# Altium PCB LM-003.PcbDoc (part 1 of 2) (continued)
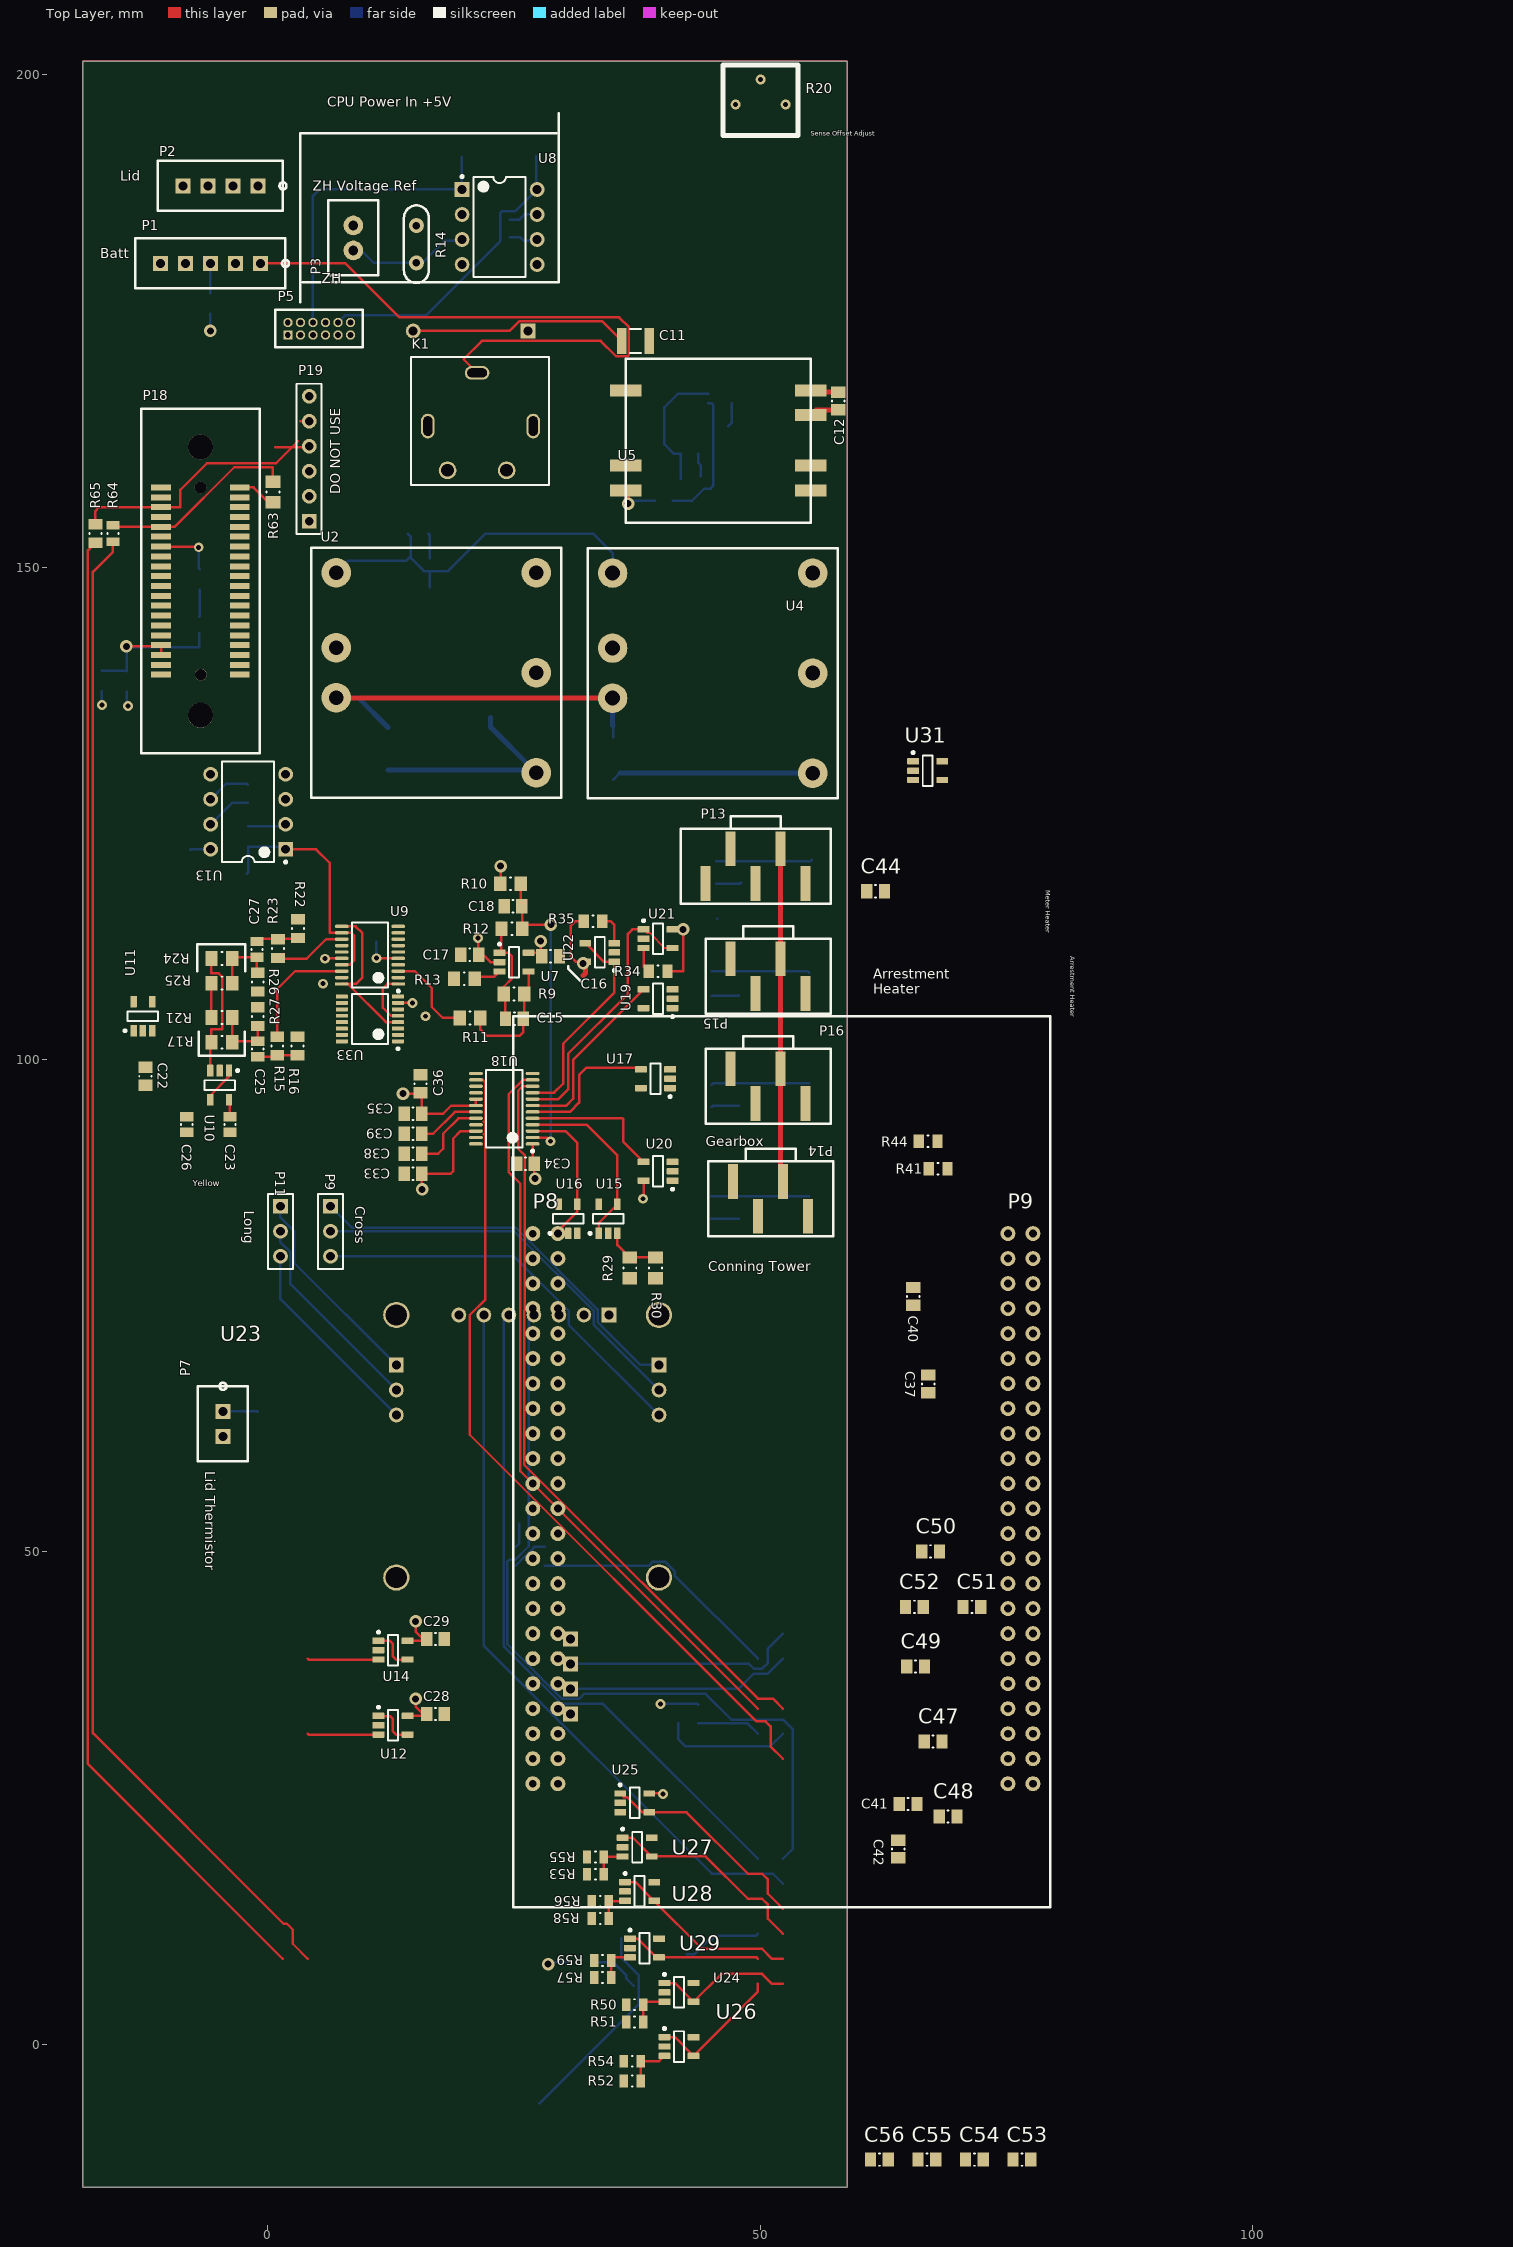
[diagram p0: Top Layer view]
## Components (designator, comment, footprint, x,y, rotation, side; value= is the part's Value field where it differs from the comment) (continued)
R9 "RES SMD 300K OHM 1% 1/8W 0805" RESC0805(2012)_M 24.996,106.639 r0 top
R10 "RES SMD 100K OHM 1% 1/2W 0805" RESC0805(2012)_M 24.638,117.856 r180 top
R11 "RES SMD 18.2K OHM 1% 1/8W 0805" RESC0805(2012)_M 20.523,104.216 r0 top
R12 "RES SMD 511K OHM 1% 1/8W 0805" RESC0805(2012)_M 24.765,113.284 r180 top
R13 "RES SMD 33K OHM 1% 1/2W 0805" RESC0805(2012)_M 19.939,108.204 r0 top
R14 "TBD" VH102K 15.078,180.901 r90 top
R15 "RES SMD 3.9K OHM 5% 1/8W 0805" RESC0805(2012)_N 0.94,101.371 r90 top
R16 "RES SMD 7.5K OHM 1% 1/8W 0805" RESC0805(2012)_N 2.997,101.371 r270 top
R17 "RES SMD 0.0 OHM JUMPER 1/8W 0805" RESC0805(2012)_M -4.685,101.753 r0 top
R20 "TRIMMER 5K OHM 0.25W PC PIN" "TRIMMER 2.54" 47.5,197 r0 top
R21 "RES SMD 0.0 OHM JUMPER 1/8W 0805" RESC0805(2012)_M -4.685,104.253 r0 top
R22 "RES SMD 7.5K OHM 1% 1/8W 0805" RESC0805(2012)_N 3.048,113.284 r90 top
R23 "RES SMD 3.9K OHM 5% 1/8W 0805" RESC0805(2012)_N 1.016,111.252 r90 top
R24 "RES SMD 0.0 OHM JUMPER 1/8W 0805" RESC0805(2012)_M -4.685,110.253 r0 top
R25 "RES SMD 0.0 OHM JUMPER 1/8W 0805" RESC0805(2012)_M -4.685,107.753 r0 top
R26 "RES SMD 1M OHM 1% 1/8W 0805" RESC0805(2012)_N -1.041,107.848 r90 top
R27 "RES SMD 1M OHM 1% 1/8W 0805" RESC0805(2012)_N -1.041,104.343 r270 top
R28 "RES SMD 0.0 OHM JUMPER 1/8W 0805" RESC0805(2012)_M -2.014,122.656 r90 bottom
R29 "RES SMD 10K OHM 1% 1/8W 0805" RESC0805(2012)_M 36.756,78.843 r270 top
R30 "RES SMD 1K OHM 1% 1/8W 0805" RESC0805(2012)_M 39.356,78.843 r90 top
R31 "3K74 0.125W 1% 0805 (2012 Metric)  SMD" RESC0805(2012)_N 43.688,33.528 r90 bottom
R32 "3K74 0.125W 1% 0805 (2012 Metric)  SMD" RESC0805(2012)_N 41.656,33.528 r90 bottom
R33 "6K98 1% 0805(2012)" RESC0805(2012)_N -1.016,63.246 r270 bottom
R34 "6K98 1% 0805(2012)" RESC0805(2012)_N 39.624,108.966 r180 top
R35 "6K98 1% 0805(2012)" RESC0805(2012)_N 33.02,114.046 r180 top
R36 "" RESC0805(2012)_L 44.704,120.142 r0 bottom
R37 "6K98 1% 0805(2012)" RESC0805(2012)_N 61.468,113.792 r180 bottom
R38 "" RESC0805(2012)_L 44.196,86.106 r180 bottom
R39 "" RESC0805(2012)_L 44.704,117.856 r0 bottom
R40 "" RESC0805(2012)_L 44.196,83.82 r0 bottom
R41 "6K98 1% 0805(2012)" RESC0805(2012)_N 68.072,88.9 r0 top
R42 "" RESC0805(2012)_L 44.246,108.976 r0 bottom
R43 "" RESC0805(2012)_L 44.246,106.476 r0 bottom
R44 "6K98 1% 0805(2012)" RESC0805(2012)_N 67.056,91.694 r180 top
R45 "" RESC0805(2012)_L 44.246,97.444 r180 bottom
R46 "" RESC0805(2012)_L 44.246,95.194 r0 bottom
R50 "RES SMD 10K OHM 1% 1/8W 0805" RESC0805(2012)_L 37.25,4 r180 top
R51 "RES SMD 1K OHM 1% 1/8W 0805" RESC0805(2012)_L 37.25,2.25 r0 top
R52 "RES SMD 10K OHM 1% 1/8W 0805" RESC0805(2012)_L 37,-3.75 r180 top
R53 "RES SMD 10K OHM 1% 1/8W 0805" RESC0805(2012)_L 33.25,17.25 r180 top
R54 "RES SMD 1K OHM 1% 1/8W 0805" RESC0805(2012)_L 37,-1.75 r0 top
R55 "RES SMD 1K OHM 1% 1/8W 0805" RESC0805(2012)_L 33.25,19 r0 top
R56 "RES SMD 10K OHM 1% 1/8W 0805" RESC0805(2012)_L 33.75,14.5 r180 top
R57 "RES SMD 10K OHM 1% 1/8W 0805" RESC0805(2012)_L 34,6.75 r180 top
R58 "RES SMD 3K OHM 1% 1/2W 0805" RESC0805(2012)_L 33.75,12.75 r0 top
R59 "RES SMD 4.99K OHM 1% 1/8W 0805" RESC0805(2012)_L 34,8.5 r0 top
R60 "RES SMD 0.0 OHM JUMPER 1/8W 0805" RESC0805(2012)_M -16.866,138.455 r270 bottom
R61 "DNP" RESC0805(2012)_M -14.326,138.405 r270 bottom
R62 "RES SMD 383 OHM 1% 1/8W 0805" RESC0805(2012)_M -6.909,148.742 r270 bottom
R63 "DNP" RESC0805(2012)_M 0.508,157.632 r270 top
R64 "RES SMD 100 OHM 1% 1/8W 0805" RESC0805(2012)_L -15.748,153.416 r90 top
R65 "RES SMD 100 OHM 1% 1/8W 0805" RESC0805(2012)_N -17.526,153.416 r90 top
U1 "LT3461" LT-S6-6-TSOT-23_N 45.896,167.603 r180 bottom
U2 "PXB15-24WD05/N" PXB15-24WD05/N 27.254,139.282 r0 top
U3 "OPA188AIDBVR" DBV0005A_M 15.472,149.446 r90 bottom
U4 "CCG302412S" CCG30 35.004,141.782 r0 top
U5 "CC1R5-0505SR-E" CC1R5-0505SR-E 36.322,157.734 r0 top
U6 "OPA188AIDBVR" DBV0005A_M 26.642,49.546 r180 bottom
U7 "OPA188AIDBVR" DBV0005A_M 24.996,109.889 r0 top
U8 "AD584KNZ" ADI-N-8 23.528,184.551 r0 top
U9 "MAX333CWP+" TSOP65P640X90-20N 10.363,110.593 r180 top
U10 "OPA188AIDBVR" DBV0005A_M -4.907,97.39 r270 top
U11 "OPA188AIDBVR" DBV0005A_M -12.7,104.394 r90 top
U12 "OPA188AIDBVR" DBV0005A_M 12.7,32.385 r0 top
U13 "AD584KNZ" ADI-N-8 -2.014,125.156 r180 top
U14 "OPA188AIDBVR" DBV0005A_M 12.7,40.005 r0 top
U15 "OPA188AIDBVR" DBV0005A_M 34.544,83.82 r90 top
U16 "OPA188AIDBVR" DBV0005A_M 30.48,83.82 r90 top
U17 "OPA188AIDBVR" DBV0005A_M 39.37,98.044 r180 top
U18 "MAX1300AEUG" TSOP65P640X90-24N 24,95 r180 top
U19 "OPA188AIDBVR" DBV0005A_M 39.624,106.172 r180 top
U20 "OPA188AIDBVR" DBV0005A_M 39.624,88.646 r180 top
U21 "OPA188AIDBVR" DBV0005A_M 39.624,112.268 r0 top
U22 "OPA188AIDBVR" DBV0005A_M 33.706,110.871 r180 top
U23 "BBB" "BEAGLEBONE BLACK" 52.3,54.38 r0 top
U24 "OPA188AIDBVR" DBV0005A_M 41.75,5.25 r0 top
U25 "OPA188AIDBVR" DBV0005A_M 37.25,24.5 r0 top
U26 "OPA188AIDBVR" DBV0005A_M 41.75,-0.25 r0 top
U27 "OPA188AIDBVR" DBV0005A_M 37.5,20 r0 top
U28 "OPA188AIDBVR" DBV0005A_M 37.75,15.5 r0 top
U29 "OPA188AIDBVR" DBV0005A_M 38.25,9.75 r0 top
U30 "OPA188AIDBVR" DBV0005A_M 44.013,10.057 r180 bottom
U31 "OPA188AIDBVR" DBV0005A_M 67.005,129.337 r0 top
U32 "DS3231MZ/V+" S8MK+1_N 36.492,8.321 r90 bottom
U33 "CD40109BPW" PW0016A_L 10.363,104.116 r180 top

## Footprints (in the part's own frame and the unit in brackets; to place one, negate y for a bottom-side part, rotate by r counter-clockwise, add the part's x,y. Pads: shape width x height; smd on the part's side, far side on the other; paste and mask are expansions set on the pad)
0402-A [mm] "Chip Inductor, Body 1.0x0.5mm, IPC High Density"
  rect 0.6x0.5 smd: 1(-0.5,0) 2(0.5,0)
  silkscreen extent -1.1,-0.15 -1.1,0.15, body extent -0.55,-0.3 0.55,0.3, height 0.55
0805C_L#1 [mm]
  rect 0.95x1.35 smd: 1(-0.8,0) 2(0.8,0)
  silkscreen extent -0.05,-0.57 0.05,0.58, body extent -1.1,-0.72 1.1,0.72, height 0.75
0805C_L#2 [mm]
  rect 0.95x1.35 smd: 1(-0.8,-0.074) 2(0.8,0)
  silkscreen extent -0.05,-0.58 0.05,0.57, body extent -1.1,-0.72 1.1,0.72, height 0.75
ADI-N-8 [mm] "DIP, 8-Leads, Body 9.59x6.6mm, Pitch 2.54mm"
  rect 1.5x1.5 hole 0.9: 1(-3.81,3.81)
  round 1.5 hole 0.9: 2(-3.81,1.27) 3(-3.81,-1.27) 4(-3.81,-3.81) 5(3.81,-3.81) 6(3.81,-1.27) 7(3.81,1.27) 8(3.81,3.81)
  silkscreen extent -3.93,-5.1 2.65,5.23, body extent -3.95,-5.07 3.95,5.07, height 5.33
"BEAGLEBONE BLACK" [mil]
  round 60 hole 31.5: 8-1(-900,1100) 8-3(-900,1000) 8-4(-1000,1000) 8-5(-900,900) 8-6(-1000,900) 8-7(-900,800) 8-8(-1000,800) 8-9(-900,700) 8-10(-1000,700) 8-11(-900,600) 8-12(-1000,600) 8-13(-900,500) 8-14(-1000,500) 8-15(-900,400) 8-16(-1000,400) 8-17(-900,300) 8-18(-1000,300) 8-19(-900,200) 8-20(-1000,200) 8-21(-900,100) 8-22(-1000,100) 8-23(-900,0) 8-24(-1000,0) 8-25(-900,-100) 8-26(-1000,-100) 8-27(-900,-200) 8-28(-1000,-200) 8-29(-900,-300) 8-30(-1000,-300) 8-31(-900,-400) 8-32(-1000,-400) 8-33(-900,-500) 8-34(-1000,-500) 8-35(-900,-600) 8-36(-1000,-600) 8-37(-900,-700) 8-38(-1000,-700) 8-39(-900,-800) 8-40(-1000,-800) 8-41(-900,-900) 8-42(-1000,-900) 8-43(-900,-1000) 8-44(-1000,-1000) 8-45(-900,-1100) 8-46(-1000,-1100) 9-1(1000,1100) 9-2(900,1100) 9-3(1000,1000) 9-4(900,1000) 9-5(1000,900) 9-6(900,900) 9-7(1000,800) 9-8(900,800) 9-9(1000,700) 9-10(900,700) 9-11(1000,600) 9-12(900,600) 9-13(1000,500) 9-14(900,500) 9-15(1000,400) 9-16(900,400) 9-17(1000,300) 9-18(900,300) 9-19(1000,200) 9-20(900,200) 9-21(1000,100) 9-22(900,100) 9-23(1000,0) 9-24(900,0) 9-25(1000,-100) 9-26(900,-100) 9-27(1000,-200) 9-28(900,-200) 9-29(1000,-300) 9-30(900,-300) 9-31(1000,-400) 9-32(900,-400) 9-33(1000,-500) 9-34(900,-500) 9-35(1000,-600) 9-36(900,-600) 9-37(1000,-700) 9-38(900,-700) 9-39(1000,-800) 9-40(900,-800) 9-41(1000,-900) 9-42(900,-900) 9-43(1000,-1000) 9-44(900,-1000) 9-45(1000,-1100) 9-46(900,-1100)
  round 60 hole 30 paste+0: 8-2(-1000,1100)
  silkscreen extent -1079,-1595 1070,1968, body extent -1078,-1586 1074,1975, height 493
BK-916-TR [mm]
  round 10.2 smd: 1(0,0)
  rect 2.5x5.1 smd: 2(-7.65,0.1) 2(7.65,0)
  silkscreen extent -10.16,-7.62 10.16,7.62, body extent -10.1,-7.65 10.18,7.58, height 4.44
CAPC0603(1608)100_N [mm] "Chip Capacitor, Body 1.6x0.8mm, Height 1.0mm, IPC Medium Density"
  rect 0.9x1 smd: 1(-0.8,0) 2(0.8,0)
  silkscreen extent -0.05,-0.4 0.05,0.4, body extent -0.87,-0.48 0.88,0.47, height 1
CAPC0805(2012)100_M [mm] "Chip Capacitor, Body 2.0x1.2mm, Height 1.0mm, IPC Low Density"
  rect 1.35x1.55 smd: 1(-1,0) 2(1,0)
  silkscreen extent -0.05,-0.67 0.05,0.67, body extent -1.1,-0.72 1.1,0.72, height 1
CAPC0805(2012)100_N [mm] "Chip Capacitor, Body 2.0x1.2mm, Height 1.0mm, IPC Medium Density"
  rect 1.15x1.45 smd: 1(-0.9,0) 2(0.9,0)
  silkscreen extent -0.05,-0.62 0.05,0.63, body extent -1.1,-0.72 1.1,0.73, height 1
CAPC0805(2012)145_N [mm] "Chip Capacitor, Body 2.0x1.2mm, Height 1.45mm, IPC Medium Density"
  rect 1.15x1.45 smd: 1(-0.9,0) 2(0.9,0)
  silkscreen extent -0.05,-0.63 0.05,0.62, body extent -1.1,-0.72 1.1,0.73, height 1.45
CAPC0805(2012)155_L [mm] "Chip Capacitor, Body 2.0x1.2mm, Height 1.55mm, IPC High Density"
  rect 0.95x1.35 smd: 1(-0.8,0) 2(0.8,0)
  silkscreen extent -0.05,-0.58 0.05,0.58, body extent -1.1,-0.72 1.1,0.72, height 1.55
CAPC1206(3216)130_N [mm] "Chip Capacitor, Body 3.2x1.6mm, Height 1.3mm, IPC Medium Density"
  rect 1.15x1.8 smd: 1(-1.5,0) 2(1.5,0)
  silkscreen extent -0.55,-0.8 0.55,0.8, body extent -1.7,-0.9 1.7,0.9, height 1.3
CAPC1206(3216)190_N [mm] "Chip Capacitor, Body 3.2x1.6mm, Height 1.9mm, IPC Medium Density"
  rect 1.15x1.8 smd: 1(-1.5,0) 2(1.5,0)
  silkscreen extent -0.55,-0.8 0.55,0.8, body extent -1.7,-0.9 1.7,0.9, height 1.9
CAPC1210(3225)100_L [mm] "Chip Capacitor, Body 3.2x2.5mm, Height 1mm, IPC High Density"
  rect 0.95x2.6 smd: 1(-1.4,0) 2(1.4,0)
  silkscreen extent -0.55,-1.2 0.55,1.2, body extent -1.7,-1.35 1.7,1.35, height 1
CAPC1210(3225)100_N [mm] "Chip Capacitor, Body 3.2x2.5mm, Height 1mm, IPC Medium Density"
  rect 1.15x2.7 smd: 1(-1.5,0) 2(1.5,0)
  silkscreen extent -0.55,-1.25 0.55,1.25, body extent -1.7,-1.35 1.7,1.35, height 1
CAPC1812(4532)230_M [mm] "Chip Capacitor, Body 4.5x3.2mm, Height 2.3mm, IPC Low Density"
  rect 1.6x3.5 smd: 1(-2.15,0) 2(2.15,0)
  silkscreen extent -0.95,-1.65 0.95,1.65, body extent -2.4,-1.7 2.4,1.7, height 2.3
CC1R5-0505SR-E [mm] "DC-DC Converter"
  rect 3.2x1.2 smd: 1(0,10.211) 2(0,2.591) 3(0,0.051) 4(18.8,0.051) 5(18.8,2.591) 6(18.8,7.711) 7(18.8,10.211)
  silkscreen extent 0,-3.2 18.82,13.43, body extent -1.7,-3.33 20.5,13.56, height 8.8
CCG30 [mm] "DC-DC Converter"
  round 3 hole 1.5: 1(0,7.62) 2(0,0) 3(0,-5.08) 4(20.32,-12.7) 5(20.32,-2.54) 6(20.32,7.62)
  silkscreen extent -2.54,-15.24 22.86,10.16, body extent -2.67,-15.37 22.99,10.29, height 9.9
CES-102-01-L-S [mm]
  round 2 hole 1: 1(0,0) 2(2.54,0)
  silkscreen extent -2.54,-2.54 5.08,2.54, body extent -1.45,-1.5 3.63,1.55, height 5.08
DBV0005A_M [mm] "SOT23, 5-Leads, Body 3.05x1.75mm, Pitch 0.95mm, IPC Low Density"
  rrect15% 1.2x0.65 smd: 1(-1.475,0.95) 2(-1.475,0) 3(-1.475,-0.95) 4(1.475,-0.95) 5(1.475,0.95)
  silkscreen extent -1.6,-1.55 0.5,1.95, body extent -1.42,-1.46 1.42,1.46, height 1.08
FSI-120-03-G-D-E-AB [mil]
  rect 24x78.74 smd: 1(-374.3,157.6) 1(-374.3,157.6) 2(-374.3,-157.6) 3(-334.9,157.6) 4(-334.9,-157.6) 5(-295.5,157.6) 6(-295.5,-157.6) 7(-256.1,157.6) 8(-256.1,-157.6) 9(-216.7,157.6) 10(-216.7,-157.6) 11(-177.3,157.6) 12(-177.3,-157.6) 13(-137.9,157.6) 14(-137.9,-157.6) 15(-98.5,157.6) 16(-98.5,-157.6) 17(-59.1,157.6) 18(-59.1,-157.6) 19(-19.7,157.6) 20(-19.7,-157.6) 21(19.7,157.6) 22(19.7,-157.6) 23(59.1,157.6) 24(59.1,-157.6) 25(98.5,157.6) 26(98.5,-157.6) 27(137.9,157.6) 28(137.9,-157.6) 29(177.3,157.6) 30(177.3,-157.6) 31(216.7,157.6) 32(216.7,-157.6) 33(256.1,157.6) 34(256.1,-157.6) 35(295.5,157.6) 36(295.5,-157.6) 37(334.9,157.6) 38(334.9,-157.6) 39(374.3,157.6) 40(374.3,-157.6)
  round 100 hole 100: hole(-536.2,0) hole(536.2,0)
  round 47 hole 47: hole(-374.3,-1.6) hole(374.3,0)
  silkscreen extent -689,-236 689,236, body extent -672,-179 670,185, height 162
FTSH-106-01 [mil]
  rect 37x37 hole 22.27: 1(0,0)
  round 37 hole 22.27 paste+2: 2(0,50)
  round 37 hole 22.27: 3(50,0) 4(50,50) 5(100,0) 6(100,50) 7(150,0) 8(150,50) 9(200,0) 10(200,50) 11(250,0) 12(250,50)
  silkscreen extent -50,-50 300,100, body extent -29,-76 271,124, height 225
HDR1X3 [mm] "Connector; Header; 3 Position"
  rect 1.5x1.5 hole 0.9: 1(0,0)
  round 1.5 hole 0.9: 2(2.54,0) 3(5.08,0)
  silkscreen extent -1.27,-1.27 6.35,1.27
HDR1X6 [mm] "Connector; Header; 6 Position"
  rect 1.5x1.5 hole 0.9: 1(0,0)
  round 1.5 hole 0.9: 2(2.54,0) 3(5.08,0) 4(7.62,0) 5(10.16,0) 6(12.7,0)
  silkscreen extent -1.27,-1.27 13.97,1.27
HDR1X7 [mm] "Connector; Header; 7 Position"
  rect 1.5x1.5 hole 0.9: 1(0,0)
  round 1.5 hole 0.9: 2(2.54,0) 3(5.08,0) 4(7.62,0) 5(10.16,0) 6(12.7,0) 7(15.24,0)
  silkscreen extent -1.27,-1.27 16.51,1.27
IPL1-102-01 [mil]
  rect 60x60 hole 35.43: 1(-50,0) 2(50,0)
  silkscreen extent -164,-100 150,100, body extent -134,-131 126,129, height 320
IPL1-104-01 [mil]
  rect 60x60 hole 35.43: 1(0,0) 2(100,0) 3(200,0) 4(300,0)
  silkscreen extent -114,-100 400,100, body extent -85,-155 375,105, height 320
IPL1-104-02-F-S [mm]
  rect 1x3.52 smd: 1(0,1.76) 2(2.54,-1.76) 3(5.08,1.76) 4(7.62,-1.76)
  silkscreen extent -2.54,-5.08 10.16,3.81
IPL1-105-1 [mil]
  rect 60x60 hole 35.43: 1(0,0) 2(100,0) 3(200,0) 4(300,0) 5(400,0)
  silkscreen extent -114,-100 500,100, body extent -81,-142 479,118, height 320
IPL1-105-02-F-S-K [mm]
  rect 1x3.52 smd: 1(0,1.76) 2(2.54,-1.76) 3(5.08,1.76) 4(7.62,-1.76) 5(10.16,1.76)
  silkscreen extent -2.54,-5.08 12.7,3.81
KING-LED0603-25-GREEN_V [mm] "LED, SMT, Body 1.6 x 0.8 mm, 0.25mm Thickness"
  rect 1x1 smd paste+0 mask+0: 1(0.85,0) 2(-0.85,0)
  silkscreen extent -1.97,-0.85 1.6,0.85, body extent -0.8,-0.4 0.8,0.4, height 0.25
LT-S6-6-TSOT-23_N [mm] "SOT23, 6-Leads, Body 2.9x1.75mm, Pitch 0.95mm, IPC Medium Density"
  rect 1.3x0.55 smd: 1(-1.2,0.95) 2(-1.2,0) 3(-1.2,-0.95) 4(1.2,-0.95) 5(1.2,0) 6(1.2,0.95)
  silkscreen extent -1.33,-1.45 0.15,1.9, body extent -0.87,-1.45 0.87,1.45, height 1
ONSC-DPAK-3-369AA-01_V [mm] "DPAK, 3-Leads, Body 6.54x6.095mm, Pitch 2.29mm"
  rect 3x1.6 smd: 1(-4.4,2.29) 3(-4.4,-2.29)
  rect 6.2x5.8 smd: 4(2.8,0)
  silkscreen extent -4.52,-3.27 -0.45,3.76, body extent -1.6,-3.27 4.49,3.27, height 2.47
PIN-W2/E2.8 [mm] "Thru-Hole; 2 Leads"
  rect 1.5x1.5 hole 0.9: 1(-5.825,0)
  round 1.5 hole 0.9: 2(5.825,0)
  silkscreen extent -2.65,-1.4 2.65,1.4
PNSC-CP1-12V_V [mm] "THD, 5-Leads, Body 14x13mm, Height 9.5mm"
  oval 1.4x2.5 hole 0.9 slot 2 at 90 deg: 1(-5.35,0) 3(5.35,0)
  round 1.8 hole 1.3: 2(-2.65,4.5) 5(3.35,4.5)
  oval 2.5x1.4 hole 0.9 slot 2 at 0 deg: 4(0.35,-5.4)
  silkscreen extent -6.95,-7 7.05,6, body extent -6.95,-7 7.05,6, height 9.5
PW0016A_L [mm] "SOP, 16-Leads, Body 5.1x4.5mm, Pitch 0.65mm, IPC High Density"
  rrect25% 1.2x0.4 smd: 1(-2.85,2.275) 2(-2.85,1.625) 3(-2.85,0.975) 4(-2.85,0.325) 5(-2.85,-0.325) 6(-2.85,-0.975) 7(-2.85,-1.625) 8(-2.85,-2.275) 9(2.85,-2.275) 10(2.85,-1.625) 11(2.85,-0.975) 12(2.85,-0.325) 13(2.85,0.325) 14(2.85,0.975) 15(2.85,1.625) 16(2.85,2.275)
  silkscreen extent -2.98,-2.55 1.85,3.15, body extent -3.21,-2.5 3.21,2.5, height 1
PXB15-24WD05/N [mm] "DC-DC CONV 15W DUAL 5V"
  round 3 hole 1.5: 1(-20.32,10.16) 2(-20.32,2.54) 3(-20.32,-2.54) 4(0,-10.16) 5(0,0) 6(0,10.16)
  silkscreen extent -22.86,-12.7 2.54,12.7, body extent -22.99,-12.83 2.67,12.83, height 9.9
RESC0805(2012)_L [mm] "Chip Resistor, Body 2.0x1.3mm, IPC High Density"
  rect 0.85x1.3 smd: 1(-0.85,0) 2(0.85,0)
  silkscreen extent -0.05,-0.55 0.05,0.55, body extent -1.1,-0.67 1.1,0.68, height 0.7
RESC0805(2012)_M [mm] "Chip Resistor, Body 2.0x1.3mm, IPC Low Density"
  rect 1.25x1.5 smd: 1(-1.05,0) 2(1.05,0)
  silkscreen extent -0.05,-0.65 0.05,0.65, body extent -1.1,-0.67 1.1,0.67, height 0.7
RESC0805(2012)_N [mm] "Chip Resistor, Body 2.0x1.3mm, IPC Medium Density"
  rect 1.05x1.4 smd: 1(-0.95,0) 2(0.95,0)
  silkscreen extent -0.05,-0.6 0.05,0.6, body extent -1.1,-0.67 1.1,0.68, height 0.7
S8MK+1_N [mm] "SOIC, 8-Leads, Body 4.9x3.9mm, Pitch 1.27mm, IPC Medium Density"
  oval 2.2x0.6 smd: 1(-2.4,1.905) 2(-2.4,0.635) 3(-2.4,-0.635) 4(-2.4,-1.905) 5(2.4,-1.905) 6(2.4,-0.635) 7(2.4,0.635) 8(2.4,1.905)
  silkscreen extent -2.52,-2.5 0.9,2.88, body extent -2,-2.5 2,2.5, height 1.75
"TRIMMER 2.54" [mil]
  round 40 hole 20: 1(0,0) 2(100,100) 3(200,0)
  silkscreen extent -50,-125 250,158, body extent -60,-126 260,200, height 175
TSOP65P640X90-20N [mm] "TSOP, 20-Leads, Body 6.50x4.40mm, Pitch 0.65mm, IPC Medium Density"
  oval 1.4x0.35 smd: 1(-2.875,2.925) 2(-2.875,2.275) 3(-2.875,1.625) 4(-2.875,0.975) 5(-2.875,0.325) 6(-2.875,-0.325) 7(-2.875,-0.975) 8(-2.875,-1.625) 9(-2.875,-2.275) 10(-2.875,-2.925) 11(2.875,-2.925) 12(2.875,-2.275) 13(2.875,-1.625) 14(2.875,-0.975) 15(2.875,-0.325) 16(2.875,0.325) 17(2.875,0.975) 18(2.875,1.625) 19(2.875,2.275) 20(2.875,2.925)
  silkscreen extent -3,-3.3 1.85,3.77, body extent -2.25,-3.3 2.25,3.3, height 0.9
TSOP65P640X90-24N [mm] "TSOP, 24-Leads, Body 7.80x4.40mm, Pitch 0.65mm, IPC Medium Density"
  oval 1.4x0.35 smd mask+0.076: 1(-2.875,3.575) 2(-2.875,2.925) 3(-2.875,2.275) 4(-2.875,1.625) 5(-2.875,0.975) 6(-2.875,0.325) 7(-2.875,-0.325) 8(-2.875,-0.975) 9(-2.875,-1.625) 10(-2.875,-2.275) 11(-2.875,-2.925) 12(-2.875,-3.575) 13(2.875,-3.575) 14(2.875,-2.925) 15(2.875,-2.275) 16(2.875,-1.625) 17(2.875,-0.975) 18(2.875,-0.325) 19(2.875,0.325) 20(2.875,0.975) 22(2.875,2.275) 23(2.875,2.925) 24(2.875,3.575)
  oval 1.4x0.35 smd mask+0.102: 21(2.875,1.625)
  silkscreen extent -3,-3.95 1.85,4.42, body extent -3.2,-3.95 3.2,3.95, height 0.9
VH102K [mil] "Hermetically Sealed High Precision Resistor"
  round 60 hole 30: 1(0,0) 2(149.61,0)
  silkscreen extent -80,-50 230,50

## Part data
BT1: library part Battery, "CR1220, 1225 BATTERY RETAINER W/", Manufacturer 1="MPD (Memory Protection Devices)", Manufacturer Part Number 1=BK-916-TR, Operating Temperature=-, Supplier Part Number 1=BK-916-CT-ND, Battery Cell Size="Coin, 12.0mm", Battery Series="1216, 1220, 1225", Battery Type, Function="Coin Cell, Retainer", Category 1="Battery Products", ComponentLink1Description=http://www.memoryprotectiondevices.com/datasheets/BK-916-datasheet.pdf, ComponentLink1URL=http://www.memoryprotectiondevices.com/datasheets/BK-916-datasheet.pdf, Description 1="CR1220, 1225 BATTERY RETAINER W/", Height Above Board="0.551\" (14.00mm)", Mounting Type="PCB, Surface Mount", Number of Cells=1, Part Status=Active, Pricing 1="1=0.49, 10=0.449, 100=0.408, 500=0.357 (USD)", RoHS 1="RoHS Compliant", Stock 1=7084, Style=Retainer, Supplier 1=Digi-Key, Termination Style="SMD (SMT) Tab"
C1: library part CMP-1035-00578-1, Capacitance=22pF, Manufacturer="AVX Corporation", Manufacturer Part Number=06035C220JAT2A, Operating Temperature="-55°C ~ 125°C", Package / Case="0603 (1608 Metric)", Ratings=-, Supplier Part Number 1=478-6204-6-ND, Temperature Coefficient=X7R, Tolerance=±5%, Voltage - Rated=50V, Applications="General Purpose", Category=Capacitors, ComponentLink1Description=http://datasheets.avx.com/X7RDielectric.pdf, ComponentLink1URL=http://datasheets.avx.com/X7RDielectric.pdf, Features=-, Height - Seated (Max)=-, Lead Spacing=-, Lead Style=-, Mounting Type="Surface Mount, MLCC", Packaging=Digi-Reel®, Part Status=Active, Pricing 1="1=0.2, 10=0.136, 100=0.0688, 1000=0.04166 (USD)", RoHS="RoHS Compliant", Size / Dimension="0.063\" L x 0.032\" W (1.60mm x 0.81mm)", Stock 1=72942, Supplier 1=Digi-Key, Thickness (Max)="0.035\" (0.90mm)"
C2: library part CMP-1038-01123-1, Capacitance=1µF, Manufacturer="Taiyo Yuden", Manufacturer Part Number=UMK325B7105KH-T, Operating Temperature="-55°C ~ 125°C", Package / Case="1210 (3225 Metric)", Ratings=-, Supplier Part Number 1=587-1366-1-ND, Temperature Coefficient=X7R, Tolerance=±10%, Voltage - Rated=50V, Applications="General Purpose", Category=Capacitors, ComponentLink1Description=http://www.yuden.co.jp/productdata/catalog/en/mlcc_all_e.pdf, ComponentLink1URL=http://www.yuden.co.jp/productdata/catalog/en/mlcc_all_e.pdf, Features=-, Height - Seated (Max)=-, Lead Spacing=-, Lead Style=-, Mounting Type="Surface Mount, MLCC", Packaging="Cut Tape (CT)", Part Status=Active, Pricing 1="1=0.36, 10=0.247, 100=0.1398, 500=0.0987, 1000=0.08637 (USD)", RoHS="RoHS Compliant", Size / Dimension="0.126\" L x 0.098\" W (3.20mm x 2.50mm)", Stock 1=23864, Supplier 1=Digi-Key, Thickness (Max)="0.063\" (1.60mm)"
C3: library part CMP-1037-04570-1, Capacitance=0.47µF, Manufacturer="Taiyo Yuden", Manufacturer Part Number=UMK316B7474KL-T, Operating Temperature="-55°C ~ 125°C", Package / Case="1206 (3216 Metric)", Ratings=-, Supplier Part Number 1=587-1325-1-ND, Temperature Coefficient=X7R, Tolerance=±10%, Voltage - Rated=50V, Applications="General Purpose", Category=Capacitors, ComponentLink1Description=http://www.yuden.co.jp/productdata/catalog/en/mlcc_all_e.pdf, ComponentLink1URL=http://www.yuden.co.jp/productdata/catalog/en/mlcc_all_e.pdf, Features=-, Height - Seated (Max)=-, Lead Spacing=-, Lead Style=-, Mounting Type="Surface Mount, MLCC", Packaging="Cut Tape (CT)", Part Status=Active, Pricing 1="1=0.3, 10=0.203, 100=0.115, 500=0.08114, 1000=0.071 (USD)", RoHS="RoHS Compliant", Size / Dimension="0.126\" L x 0.063\" W (3.20mm x 1.60mm)", Stock 1=8658, Supplier 1=Digi-Key, Thickness (Max)="0.071\" (1.80mm)"
C4: library part CMP-1036-04795-1, Capacitance=1µF, Manufacturer="Taiyo Yuden", Manufacturer Part Number=EMK212B7105KG-T, Operating Temperature="-55°C ~ 125°C", Package / Case="0805 (2012 Metric)", Ratings=-, Supplier Part Number 1=587-1283-1-ND, Temperature Coefficient=X7R, Tolerance=±10%, Voltage - Rated=16V, Applications="General Purpose", Category=Capacitors, ComponentLink1Description=http://ds.yuden.co.jp/TYCOMPAS/ut/detail.do?productNo=EMK212B7105KG-T&fileName=EMK212B7105KG-T_SS&mode=specSheetDownload, ComponentLink1URL=http://ds.yuden.co.jp/TYCOMPAS/ut/detail.do?productNo=EMK212B7105KG-T&fileName=EMK212B7105KG-T_SS&mode=specSheetDownload, Features=-, Height - Seated (Max)=-, Lead Spacing=-, Lead Style=-, Mounting Type="Surface Mount, MLCC", Packaging="Cut Tape (CT)", Part Status=Active, Pricing 1="1=0.13, 10=0.089, 100=0.042, 1000=0.02439 (USD)", RoHS="RoHS Compliant", Size / Dimension="0.079\" L x 0.049\" W (2.00mm x 1.25mm)", Stock 1=41495, Supplier 1=Digi-Key, Thickness (Max)="0.053\" (1.35mm)"
C5: library part CMP-1037-04913-1, Capacitance=4.7µF, Manufacturer="Taiyo Yuden", Manufacturer Part Number=EMK316B7475KL-T, Operating Temperature="-55°C ~ 125°C", Package / Case="1206 (3216 Metric)", Ratings=-, Supplier Part Number 1=587-1331-6-ND, Temperature Coefficient=X7R, Tolerance=±10%, Voltage - Rated=16V, Applications="General Purpose", Category=Capacitors, ComponentLink1Description=http://ds.yuden.co.jp/TYCOMPAS/ut/detail.do?productNo=EMK316B7475KL-T&fileName=EMK316B7475KL-T_SS&mode=specSheetDownload, ComponentLink1URL=http://ds.yuden.co.jp/TYCOMPAS/ut/detail.do?productNo=EMK316B7475KL-T&fileName=EMK316B7475KL-T_SS&mode=specSheetDownload, Features=-, Height - Seated (Max)=-, Lead Spacing=-, Lead Style=-, Mounting Type="Surface Mount, MLCC", Packaging=Digi-Reel®, Part Status=Active, Pricing 1="1=0.25, 10=0.17, 100=0.0965, 1000=0.0596 (USD)", RoHS="RoHS Compliant", Size / Dimension="0.126\" L x 0.063\" W (3.20mm x 1.60mm)", Stock 1=59490, Supplier 1=Digi-Key, Thickness (Max)="0.071\" (1.80mm)"
C6: library part CMP-1036-04795-1, Capacitance=0.047µF, Manufacturer="Murata Electronics North America", Manufacturer Part Number=GRM188R71C473KA01D, Operating Temperature="-55°C ~ 125°C", Package / Case="0603 (1608 Metric)", Ratings=-, Supplier Part Number 1=490-1529-6-ND, Temperature Coefficient=X7R, Tolerance=±10%, Voltage - Rated=16V, Applications="General Purpose", Category=Capacitors, ComponentLink1Description=http://www.murata.com/~/media/webrenewal/support/library/catalog/products/capacitor/mlcc/c02e.ashx, ComponentLink1URL=http://www.murata.com/~/media/webrenewal/support/library/catalog/products/capacitor/mlcc/c02e.ashx, Features=-, Height - Seated (Max)=-, Lead Spacing=-, Lead Style=-, Mounting Type="Surface Mount, MLCC", Packaging=Digi-Reel®, Part Status=Active, Pricing 1="1=0.1, 10=0.046, 100=0.0206, 500=0.0147, 1000=0.01155 (USD)", RoHS="RoHS Compliant", Size / Dimension="0.063\" L x 0.031\" W (1.60mm x 0.80mm)", Stock 1=26, Supplier 1=Digi-Key, Thickness (Max)="0.035\" (0.90mm)"
C7 C9 C13: library part CMP-1040-00561-1, Capacitance=470pF, Case/Package=1812, Case Code (Metric)=4532, Manufacturer=Kemet, Manufacturer Part Number=C1812C471KHRACTU, Max Operating Temperature=125°C, Min Operating Temperature=-55°C, Package Quantity=1, Supplier Part Number 1=399-7289-6-ND, Tolerance=10%, Voltage Rating=3kV, Case Code (Imperial)=1812, ComponentLink1Description=http://www.kemet.com/docfinder?Partnumber=C1812C471KHRACTU, ComponentLink1URL=http://www.kemet.com/docfinder?Partnumber=C1812C471KHRACTU, Lead Free="Lead Free", Length=0.177inch, Packaging="Tape and Reel", Pricing 1="1=0.88, 10=0.666, 100=0.4761 (USD)", Stock 1=2705, Supplier 1=Digi-Key, Thickness=0.071inch, Voltage Rating (DC)=3kV, Width=0.126inch
C8: library part CMP-1040-00561-1, "CAP CER 470PF 3KV X7R 1812", Capacitance=470pF, Case/Package=1812, Case Code (Metric)=4532, Manufacturer=Kemet, Manufacturer Part Number=C1812C471KHRACTU, Max Operating Temperature=125°C, Min Operating Temperature=-55°C, Package Quantity=1, Supplier Part Number 1=399-7289-6-ND, Tolerance=10%, Voltage Rating=3kV, Case Code (Imperial)=1812, ComponentLink1Description=http://www.kemet.com/docfinder?Partnumber=C1812C471KHRACTU, ComponentLink1URL=http://www.kemet.com/docfinder?Partnumber=C1812C471KHRACTU, Lead Free="Lead Free", Length=0.177inch, Packaging="Tape and Reel", Pricing 1="1=0.88, 10=0.666, 100=0.4761 (USD)", Stock 1=2705, Supplier 1=Digi-Key, Thickness=0.071inch, Voltage Rating (DC)=3kV, Width=0.126inch
C10: library part CMP-1036-04795-1, Capacitance=10000pF, Manufacturer="Murata Electronics North America", Manufacturer Part Number=GRM216R71E103KA01D, Operating Temperature="-55°C ~ 125°C", Package / Case="0805 (2012 Metric)", Ratings=-, Supplier Part Number 1=490-12748-6-ND, Temperature Coefficient=X7R, Tolerance=±10%, Voltage - Rated=25V, Applications="General Purpose", Category=Capacitors, ComponentLink1Description=http://www.murata.com/~/media/webrenewal/support/library/catalog/products/capacitor/mlcc/c02e.ashx, ComponentLink1URL=http://www.murata.com/~/media/webrenewal/support/library/catalog/products/capacitor/mlcc/c02e.ashx, Features=-, Height - Seated (Max)=-, Lead Spacing=-, Lead Style=-, Mounting Type="Surface Mount, MLCC", Packaging=Digi-Reel®, Part Status=Active, Pricing 1="1=0.11, 10=0.077, 100=0.0343, 500=0.02452, 1000=0.01926 (USD)", RoHS="RoHS Compliant", Size / Dimension="0.079\" L x 0.049\" W (2.00mm x 1.25mm)", Stock 1=13127, Supplier 1=Digi-Key, Thickness (Max)="0.028\" (0.70mm)"
C11: library part CMP-1038-00632-1, Capacitance=1µF, Manufacturer="Murata Electronics North America", Manufacturer Part Number=GRM32RR71H105KA01L, Operating Temperature="-55°C ~ 125°C", Package / Case="1210 (3225 Metric)", Ratings=-, Supplier Part Number 1=490-1863-6-ND, Temperature Coefficient=X7R, Tolerance=±10%, Voltage - Rated=50V, Applications="General Purpose", Category=Capacitors, ComponentLink1Description=http://search.murata.co.jp/Ceramy/image/img/A01X/G101/ENG/GRM32RR71H105KA01-01.pdf, ComponentLink1URL=http://search.murata.co.jp/Ceramy/image/img/A01X/G101/ENG/GRM32RR71H105KA01-01.pdf, Features=-, Height - Seated (Max)=-, Lead Spacing=-, Lead Style=-, Mounting Type="Surface Mount, MLCC", Packaging=Digi-Reel®, Part Status=Active, Pricing 1="1=0.35, 10=0.242, 100=0.1449, 500=0.10868 (USD)", RoHS="RoHS Compliant", Size / Dimension="0.126\" L x 0.098\" W (3.20mm x 2.50mm)", Stock 1=66890, Supplier 1=Digi-Key, Thickness (Max)="0.079\" (2.00mm)"
C12: library part CMP-1036-04795-1, Capacitance=10µF, Manufacturer="Murata Electronics North America", Manufacturer Part Number=GCM21BR71A106KE22L, Operating Temperature="-55°C ~ 125°C", Package / Case="0805 (2012 Metric)", Ratings=AEC-Q200, Supplier Part Number 1=490-10674-6-ND, Temperature Coefficient=X7R, Tolerance=±10%, Voltage - Rated=10V, Applications=Automotive, Category=Capacitors, ComponentLink1Description=http://search.murata.co.jp/Ceramy/image/img/A01X/G101/ENG/GCM21BR71A106KE22-01.pdf, ComponentLink1URL=http://search.murata.co.jp/Ceramy/image/img/A01X/G101/ENG/GCM21BR71A106KE22-01.pdf, Features=-, Height - Seated (Max)=-, Lead Spacing=-, Lead Style=-, Mounting Type="Surface Mount, MLCC", Packaging=Digi-Reel®, Part Status=Active, Pricing 1="1=0.49, 10=0.347, 100=0.2282, 500=0.16906, 1000=0.14369 (USD)", RoHS="RoHS Compliant", Size / Dimension="0.079\" L x 0.049\" W (2.00mm x 1.25mm)", Stock 1=136726, Supplier 1=Digi-Key, Thickness (Max)="0.055\" (1.40mm)"
C14 C19 C30 C46: library part CMP-1036-04416-1, "CAP 100nF 25V -20% to +80% 0805 (2012 Metric) Thickness 1mm SMD", Capacitance=0.1µF, Manufacturer="Murata Electronics North America", Manufacturer Part Number=GRM21BR71E104KA01L, Operating Temperature="-55°C ~ 125°C", Package / Case="0805 (2012 Metric)", Ratings=-, Supplier Part Number 1=490-1673-1-ND, Temperature Coefficient=X7R, Tolerance=±10%, Voltage - Rated=25V, Applications="General Purpose", Category=Capacitors, ComponentLink1Description=http://www.murata.com/~/media/webrenewal/support/library/catalog/products/capacitor/mlcc/c02e.ashx, ComponentLink1URL=http://www.murata.com/~/media/webrenewal/support/library/catalog/products/capacitor/mlcc/c02e.ashx, Features=-, Height - Seated (Max)=-, Lead Spacing=-, Lead Style=-, Mounting Type="Surface Mount, MLCC", Packaging="Cut Tape (CT)", Part Status=Active, Pricing 1="1=0.2, 10=0.145, 100=0.0683, 500=0.04788, 1000=0.03964 (USD)", RoHS="RoHS Compliant", Size / Dimension="0.079\" L x 0.049\" W (2.00mm x 1.25mm)", Stock 1=895391, Supplier 1=Digi-Key, Thickness (Max)="0.053\" (1.35mm)"